# Allegro board pc065a_toplevel_61.brd (continued)
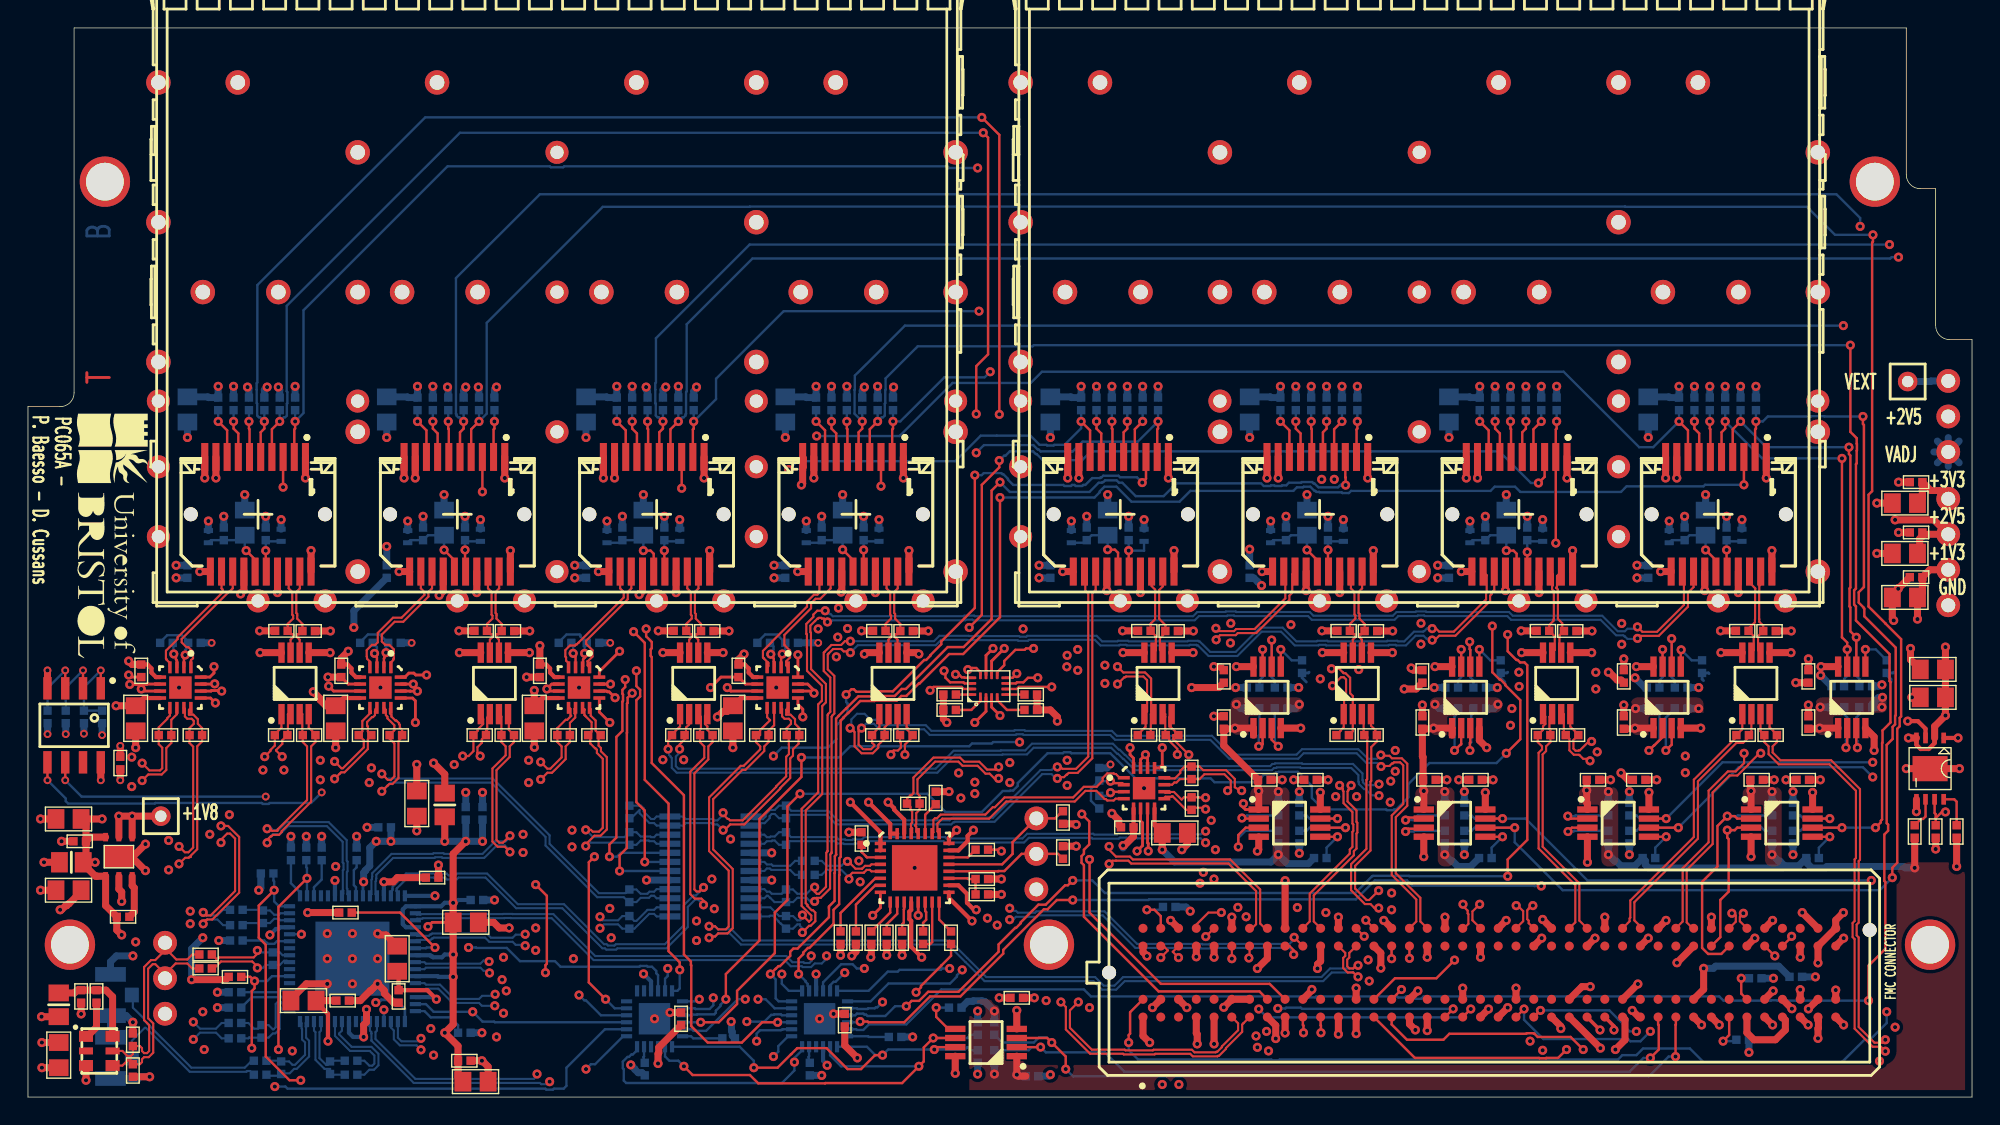
[diagram p0: board, top side]
## Routing (per net, layer and track width the routed paths; a pad name or vN(x,y) marks a point on that pad's centre or on a via; arc(x,y) is an arc through that point) (continued)
FMC_LA_P<10>: length 35.3
  TOP w0.17: v1(110.11,19) 110.39,19.27 IC15.3 ; v1(110.01,3.4) 109.41,2.8 108.56,2.8 108.54,2.78 108.06,2.78 108.04,2.8 99.16,2.8 96.23,5.73
  L6_SIG w0.17: v1(110.11,19) 110.11,5.29 110.12,5.28 110.12,5.18 110.17,5.14 110.17,4.66 110.11,4.61 110.11,4.02 110.01,3.92 v1(110.01,3.4)
  BOTTOM w0.17: v1(110.11,19) 110.5,19 110.55,19.05 R146.1
FMC_LA_P<11>: length 58.8
  TOP w0.15: 98.78,12.08 99.27,12.57 99.27,14.13 97.51,15.89 97.51,20.15 98.33,20.97 98.33,23.73 98.11,23.95 97.67,23.95 97.59,23.87 97.53,23.87 97.35,23.69 96.78,23.69 v1(96.74,23.65) ; v1(59.6,26.4) 59.39,26.19 59.39,25.22 59.72,24.89 60.28,24.89 60.51,25.12 60.51,25.2 60.35,25.36 R191.1 60.35,25.95 60.88,26.47 U6.1
  BOTTOM w0.15: v1(96.74,23.65) 96.65,23.74 96.62,23.74 96.45,23.91 95.69,23.91 95,24.6 91.21,24.6 90.82,24.21 85.89,24.21 84.54,25.56 77.73,25.56 77.38,25.91 71.18,25.91 71.13,25.96 70.67,25.96 70.62,25.91 64.47,25.91 64.07,26.31 60.88,26.31 60.49,26.71 59.91,26.71 v1(59.6,26.4)
FMC_LA_P<12>: length 14.7
  TOP w0.17: v1(98.5,19) 98.7,19.2 99.72,19.2 IC14.3 ; 97.5,10.8 97.5,10.8 v1(97.5,9.9)
  L6_SIG w0.17: v1(98.5,19) 98.5,10.9 v1(97.5,9.9)
  BOTTOM w0.17: v1(98.5,19) 99.09,19 99.14,19.05 R141.1
FMC_LA_P<14>: length 37
  TOP w0.17: v1(89.4,25.1) 88.92,25.57 IC17.3 ; 101.31,5.73 v1(101.9,6.31)
  L6_SIG w0.17: v1(89.37,6.34) 89.37,6.88 89.3,6.94 89.3,9.26 89.17,9.38 89.17,16.4 88.88,16.7 88.88,17.06 88.83,17.11 88.83,17.58 88.88,17.63 88.88,21.57 88.83,21.62 88.83,22.09 88.9,22.16 88.9,22.69 89.11,22.9 89.11,22.94 89.35,23.18 89.35,24.51 89.4,24.56 v1(89.4,25.1)
  BOTTOM w0.17: v1(101.9,6.31) 91.09,6.31 91,6.4 89.96,6.4 89.9,6.34 v1(89.37,6.34) ; v1(89.4,25.1) 89.3,25.2 89.3,25.31 89.15,25.45 R156.1
FMC_LA_P<15>: length 54.2
  TOP w0.15: v1(102.6,13.8) 102.6,13.67 102.94,13.34 102.94,13.14 102.99,13.09 102.99,12.39 102.67,12.08 J10.H19 ; R199.1 79.35,25.93 79.91,26.49 79.91,27.48 ; U10.1 79.91,27.48 ; 79.91,27.48 80.02,27.59 80.02,29.83 79.75,30.09 78.51,30.09 78.46,30.04 78.39,30.04 v1(77.9,29.55)
  L3_SIG w0.15: v1(106,26.6) 105.65,26.95 103.27,26.95 103.23,26.96 100.18,26.96 100.16,26.98 99.08,26.98 97.96,28.1 93.16,28.1 92.2,29.05 92.04,29.05 91.53,29.56 91.53,29.73 91.33,29.92 78.27,29.92 v1(77.9,29.55)
  L6_SIG w0.15: v1(102.6,13.8) 102.6,13.93 102.99,14.31 102.99,15.02 104.45,16.48 104.45,21.05 106.9,23.5 106.9,26.45 106.48,26.87 106.27,26.87 v1(106,26.6)
FMC_LA_P<18>: length 38.7
  TOP w0.17: v1(117.11,24.8) 117.53,25.21 IC19.3 ; J10.C22 v1(106.97,6.3)
  L6_SIG w0.17: v1(117.11,24.8) 117.8,24.11 117.8,22.6 118.86,21.55 118.86,20.61 119.03,20.44 119.03,8.76 118.86,8.58 118.86,7.55 v1(116,4.7)
  BOTTOM w0.17: v1(117.11,24.8) 117.11,27.16 R166.1 ; v1(106.97,6.3) 106.97,5.53 108.35,4.15 114.41,4.15 114.57,3.99 115.29,3.99 v1(116,4.7)
FMC_LA_P<19>: length 39.3
  TOP w0.15: R197.1 93.86,26.21 93.86,26.24 94.08,26.46 U9.1 94.1,27.42 94.1,28.54 94.24,28.68 94.24,29.88 94.09,30.04 93.88,30.04 v1(93.27,29.43) ; v1(106.41,13.7) 106.51,13.6 106.61,13.6 106.91,13.31 106.91,12.59 106.39,12.08
  L3_SIG w0.15: v1(106.62,29.38) 105.91,30.09 101.12,30.09 100.96,29.93 99.36,29.93 99.26,29.83 98.65,29.83 98.61,29.78 95.68,29.78 95.62,29.72 94.79,29.72 94.73,29.78 93.58,29.78 v1(93.27,29.43)
  L6_SIG w0.15: v1(106.62,29.38) 107.06,29.82 107.3,29.82 107.57,29.55 107.57,19.07 106.83,18.33 106.83,13.95 106.58,13.7 v1(106.41,13.7)
FMC_LA_P<21>: length 17.1
  TOP w0.15: 110.2,12.08 110.63,12.5 110.63,15.17 108.01,17.79 108.01,24.64 108.25,24.88 108.25,25.09 107.95,25.4 R195.1 108.33,26.27 108.33,26.53 108.5,26.7 108.5,27.23 U8.1
FMC_LA_P<24>: length 18.9
  TOP w0.15: U7.1 122.58,26.36 122.52,26.3 122.52,26.27 R193.1 122.15,25.75 119.11,22.71 119.11,18.61 114.57,14.07 114.57,12.84 114.51,12.78 114.51,12.57 114.02,12.08
FMC_LA_P<27>: length 73.8
  TOP w0.17: IC21.6 70.7,29.2 70.85,29.34 v1(73.2,29.34)
  TOP w0.254: J10.C26 v1(112.4,4.8)
  L3_SIG w0.17: v1(73.2,29.34) 75.55,29.34 76.5,30.3 76.5,30.59 76.43,30.66 76.43,31.14 76.5,31.21 76.5,31.4 77.42,32.33 78.01,32.33 78.06,32.37 78.53,32.37 78.58,32.33 80.28,32.33 81.33,31.27 83.02,31.27 83.07,31.23 83.54,31.23 83.81,31.5 87.03,31.5 87.53,31 92.75,31 92.96,31.22 93.44,31.22 93.65,31 94.19,31 94.56,31.37 95.04,31.37 95.13,31.27 97.27,31.27 97.32,31.23 97.79,31.23 97.89,31.33 100.32,31.33 100.36,31.37 100.84,31.37 100.88,31.33 106.46,31.33 106.56,31.23 107.03,31.23 107.13,31.33 109.97,31.33 v1(112.1,29.2)
  L6_SIG w0.2: v1(112.4,4.8) 112.4,5.8 113.5,6.9 113.5,15.1 112.08,16.52 112.08,17.04 112.04,17.09 112.04,23.51 112.14,23.6 112.14,23.68 112.27,23.82 112.27,23.85 112.39,23.96 112.39,23.99 112.76,24.37 112.76,24.44 112.78,24.46 112.78,24.94 112.76,24.96 112.76,28.54 v1(112.1,29.2)
FMC_LA_P<28>: length 127.7
  TOP w0.15: v1(122.7,24.6) 122.7,23.89 122.11,23.3 121.54,23.3 120.17,21.92 120.17,18.23 118.31,16.37 118.31,12.56 117.83,12.08 ; v1(21.92,22.77) 22.28,23.13 22.29,23.13 22.39,23.24 22.64,23.24 24.3,24.9 24.3,25.6 24.55,25.85 R65.2 24.3,26.15 24.3,26.52 24.25,26.57 24.25,26.84 24.6,27.19 24.67,27.19 24.81,27.33 24.81,27.6 24.84,27.63 24.84,27.74 IC5.10
  L3_SIG w0.15: v1(21.92,22.77) 22.39,23.23 22.51,23.23 22.53,23.26 22.7,23.26 27.13,27.69 41.29,27.69 41.37,27.61 42.09,27.61 42.12,27.63 42.16,27.63 42.22,27.69 47.23,27.69 47.43,27.89 54.9,27.89 55.07,28.06 55.53,28.06 55.7,27.89 72.92,27.89 73.11,28.08 74.09,28.08 74.27,27.9 82.66,27.9 82.67,27.89 84.87,27.89 84.95,27.81 85.03,27.81 85.35,27.48 85.35,27.42 85.78,26.99 85.99,26.99 86,26.98 97.69,26.98 99.16,25.5 101.8,25.5 102.09,25.79 103.25,25.79 103.39,25.65 104.44,25.65 104.59,25.49 107.15,25.49 107.2,25.54 109.65,25.54 110.1,25.99 111.55,25.99 111.57,26.01 112.03,26.01 112.05,25.99 112.37,25.99 112.97,25.39 122.83,25.39 122.98,25.24 122.98,24.88 v1(122.7,24.6)
FMC_LA_P<30>: length 107.9
  TOP w0.15: v1(121.83,13.15) 121.95,13.15 122.11,12.99 122.11,12.55 121.64,12.08 ; IC6.10 39.08,27.78 39.08,27.45 39.13,27.4 39.13,27.16 38.75,26.78 R69.2 38.75,25.4 38.45,25.09 38.45,24.18 37.47,23.21 37.14,23.21 v1(36.66,22.73)
  L3_SIG w0.15: v1(118.5,23.21) 117.95,23.76 113.67,23.76 113.66,23.75 113.09,23.75 112.33,22.99 110.2,22.99 109.5,23.69 99.67,23.69 97.87,25.49 90.74,25.49 90.7,25.53 89.75,25.53 89.63,25.66 89.16,25.66 89.04,25.53 88.36,25.53 88.23,25.66 87.77,25.66 87.64,25.53 85.94,25.53 85.75,25.71 84.85,25.71 83.29,27.27 82.41,27.27 82.4,27.28 74.01,27.28 73.83,27.46 73.37,27.46 73.04,27.13 73.04,27.07 71.96,25.99 68.56,25.99 67.96,25.39 64.65,25.39 64.65,25.39 64.64,25.39 64.64,25.39 53.97,25.39 53.64,25.72 49.15,25.77 44.71,25.77 42.21,23.28 37.21,23.28 v1(36.66,22.73)
  L6_SIG w0.15: v1(121.83,13.15) 121.9,13.22 121.9,13.63 122.14,13.87 122.14,21.6 120.05,23.7 119.12,23.7 119.1,23.68 119.11,23.68 118.97,23.68 v1(118.5,23.21)
FMC_LA_P<31>: length 14
  TOP w0.17: J10.G33 121,11.44 121,14.1 121.6,14.7 121.6,18.46 121.5,18.56 v1(121.5,19.1) 122.04,19.1 122.21,19.27 IC16.3
  BOTTOM w0.17: v1(121.5,19.1) 122.04,19.1 122.21,19.27 123.96,19.27 124.19,19.05 R151.1
FMC_LA_P<33>: length 23.3
  TOP w0.17: v1(130.8,25) 130.72,25.08 130.72,26.4 ; v1(124.9,10.1) 124.88,10.1 J10.G36
  L6_SIG w0.17: v1(130.8,25) 130.8,15.2 125.7,10.1 v1(124.9,10.1)
  BOTTOM w0.17: v1(130.8,25) 130.8,25.49 130.72,25.57 130.72,27.16 130.95,27.39 R171.1
I2C_SCL: length 133.9
  TOP w0.17: R94.1 73.65,17.4 J1.2 71.04,17.4 69.81,16.17 69.36,16.17 69.34,16.15 IC9.20 ; v1(64.8,3.4) 64.97,3.58 IC11.7 ; v1(61.1,3) 60.56,3 59.56,2 58.6,2 57.1,3.5 55,3.5 54.57,3.07 54.56,3.07 53.59,2.1 v1(51.9,2.1) ; v1(19.5,1.2) 18.7,1.2 17,2.9 17,10.9 16.5,11.4 16.5,13.7 v1(17.6,14.8) ; 2.67,23.95 v2(2.67,22.67)
  L3_SIG w0.17: v1(51.9,2.1) 51.41,2.1 50.78,1.47 43.54,1.47 43.47,1.4 42.73,1.4 42.66,1.47 40.18,1.47 40.14,1.43 39.66,1.43 39.62,1.47 38.73,1.47 38.2,2 37.45,2 37.43,2.02 36.83,2.02 36.64,2.22 36.16,2.22 35.95,2 35.6,2 34.4,0.8 19.9,0.8 v1(19.5,1.2)
  L6_SIG w0.17: v1(17.6,14.8) 17.6,17.89 17.67,17.96 17.67,20.83 v2(17,21.5) ; J1.2 73.19,16.3 73.19,13.99 70.95,11.75 70.95,7.15 70.57,6.77 70.46,6.77 70.13,6.44 70.13,6.33 67.2,3.4 v1(64.8,3.4)
  BOTTOM w0.17: IC3.16 17.95,13.65 17.6,14 v1(17.6,14.8) 17.6,15.44 17.55,15.49 R7.2 ; IC10.19 59.98,3.6 60.58,3 v1(61.1,3) 61.5,3.4 v1(64.8,3.4) 66.99,3.4 67.16,3.58 67.39,3.35 R135.1 ; IC23.19 50.89,3.6 51.9,2.59 v1(51.9,2.1) ; v2(17,21.5) 3.83,21.5 v2(2.67,22.67)
I2C_SCL_CVCC: length 53
  TOP w0.17: IC11.2 v1(72.4,3.58) ; v1(116,2.8) 116.6,3.4 116.6,5.15 116.56,5.19 116.56,5.73
  BOTTOM w0.17: R132.1 71.55,3.35 71.77,3.57 72.37,3.57 72.38,3.58 v1(72.4,3.58) 72.78,3.2 77,3.2 78.39,1.81 114.51,1.81 115.51,2.8 v1(116,2.8)
I2C_SDA: length 140.3
  TOP w0.17: IC1.5 v2(1.4,22.67) ; v1(46.9,2.2) 47.52,1.58 51.62,1.58 52.21,0.98 56.99,0.98 57.01,1 62.5,1 v1(63.7,2.2) 64.05,2.55 64.05,3.55 v1(64.72,4.23) IC11.6 ; R93.1 73.95,20.45 73.44,19.94 J1.3 70.4,18.24 70.4,17.4 69.65,16.65 IC9.21 ; v1(17.91,3.4) 17.91,13.61 v1(19.95,15.65)
  L3_SIG w0.17: v1(46.9,2.2) 46.41,2.2 46.01,1.8 43.41,1.8 43.34,1.73 42.86,1.73 42.79,1.8 42.2,1.8 41.21,2.79 36.99,2.79 36.91,2.88 35.89,2.88 35.81,2.79 34.59,2.79 33.78,1.99 21.02,1.99 20.5,2.5 18.81,2.5 v1(17.91,3.4)
  L6_SIG w0.17: v2(21,21.8) 21.57,21.23 21.57,17.27 v1(19.95,15.65) ; J1.3 71,18.84 71,12.26 68.9,10.16 68.9,7.36 68.88,7.34 68.88,6.74 68.53,6.39 68.53,6.04 68.47,5.98 68.47,5.92 68.14,5.58 68.07,5.58 66.71,4.23 v1(64.72,4.23)
  BOTTOM w0.17: v1(63.7,2.2) 58.14,2.2 57.35,2.99 IC10.20 ; v2(1.4,22.67) 2.7,21.37 2.7,21.17 2.87,21 9.07,21 9.11,21.04 16.71,21.04 16.78,20.98 17.22,20.98 17.29,21.04 20.24,21.04 v2(21,21.8) ; IC23.20 45.55,2.91 45.86,2.6 46.5,2.6 v1(46.9,2.2) ; R134.1 67.39,4.45 67.16,4.23 v1(64.72,4.23) ; IC3.18 v1(19.95,15.65) 19.95,16.39 19.9,16.44 R8.2
I2C_SDA_CVCC: length 56.8
  TOP w0.17: v1(74.2,2) 74.2,2.9 v1(73.2,3.9) 72.88,4.23 IC11.3 ; v1(117.8,2.9) 117.8,5.17 117.83,5.19 J10.C31
  BOTTOM w0.17: v1(73.2,3.9) 72.82,4.28 72.3,4.28 71.92,3.9 69.65,3.9 R131.1 ; v1(74.2,2) 74.72,1.48 115.88,1.48 117.31,2.9 v1(117.8,2.9)
MOD_ABS: length 3.4
  TOP w0.17: v1(15.8,48.35) 15.8,47.83 15.84,47.79 J7.6
  BOTTOM w0.17: R26.1 v1(15.8,48.35)
MOD_ABS_1: length 3.4
  TOP w0.17: J12.6 30.09,47.79 30.05,47.83 v1(30.05,48.35)
  BOTTOM w0.17: R38.1 v1(30.05,48.35)
MOD_ABS_2: length 3.4
  TOP w0.17: J16.6 44.34,47.79 44.3,47.83 v1(44.3,48.35)
  BOTTOM w0.17: R46.1 v1(44.3,48.35)
MOD_ABS_3: length 3.4
  TOP w0.17: v1(58.55,48.35) 58.55,47.83 58.59,47.79 J20.6
  BOTTOM w0.17: R54.1 v1(58.55,48.35)
MOD_ABS_4: length 3.4
  TOP w0.17: v1(120.25,48.35) 120.25,47.83 120.29,47.79 J24.6
  BOTTOM w0.17: R103.1 v1(120.25,48.35)
MOD_ABS_5: length 3.4
  TOP w0.17: v1(106,48.35) 106,47.83 106.04,47.79 J28.6
  BOTTOM w0.17: R111.1 v1(106,48.35)
MOD_ABS_6: length 3.4
  TOP w0.17: v1(91.75,48.35) 91.75,47.83 91.79,47.79 J32.6
  BOTTOM w0.17: R119.1 v1(91.75,48.35)
MOD_ABS_7: length 3.4
  TOP w0.17: J36.6 77.54,47.79 77.5,47.83 v1(77.5,48.35)
  BOTTOM w0.17: R127.1 v1(77.5,48.35)
MUX_OUT_N: length 3.9
  BOTTOM w0.15: 51.7,16.18 52.65,16.18 52.83,16.36 53.04,16.36 53.14,16.26 54.49,16.26 54.85,15.9 C55.1
MUX_OUT_P: length 3.9
  BOTTOM w0.15: IC8.18 52.65,16.82 52.83,16.64 53.16,16.64 53.26,16.55 54.49,16.55 54.85,16.9 C56.1
MUX_SEL<0>: length 41.9
  TOP w0.17: v1(42.3,16.18) 42.3,17.3 42.82,17.82 42.82,26.05 42.83,26.06 42.83,28.16 42.88,28.2 42.88,28.58 v1(43.2,28.9) ; v1(64.5,29.1) 64.75,29.34 66.75,29.34 66.9,29.2 IC21.15
  L3_SIG w0.17: v1(64.5,29.1) 64.12,29.48 58.86,29.48 58.84,29.5 55.5,29.5 54.52,28.52 43.58,28.52 v1(43.2,28.9)
  BOTTOM w0.17: 45.9,16.18 v1(42.3,16.18)
MUX_SEL<1>: length 40.8
  TOP w0.17: v1(43.5,30.5) 43.5,29.41 43.77,29.14 43.77,28.66 43.5,28.39 43.5,21.1 44.1,20.5 v1(44.1,16.82) ; v1(65.5,30.5) 65.6,30.4 65.6,30.01 65.93,29.67 66.89,29.67 66.96,29.6 IC21.14
  L3_SIG w0.17: v1(65.5,30.5) 64.96,30.5 64.86,30.4 59.22,30.4 59.07,30.26 44.28,30.26 44.04,30.5 v1(43.5,30.5)
  BOTTOM w0.17: IC8.7 v1(44.1,16.82)
MUX_SEL<2>: length 42.8
  TOP w0.17: IC21.13 66.98,30 66.94,30.03 66.77,30.03 66.6,30.2 66.37,30.2 v1(66.32,30.24) ; v1(41.58,17.2) 41.58,18.07 42.07,18.57 42.07,25.77 42.5,26.2 42.5,28.29 42.55,28.34 42.55,28.81 42.5,28.86 42.5,29.14 42.7,29.34 v1(42.7,29.88)
  L3_SIG w0.17: v1(66.32,30.24) 66.32,30.02 66.15,29.85 65.94,29.85 65.92,29.88 v1(42.7,29.88)
  BOTTOM w0.17: 45.9,17.48 42.39,17.48 42.11,17.2 v1(41.58,17.2)
OSC_N: length 15.4
  TOP w0.15: C30.2 11.75,10.2 11.39,9.85 10.61,9.85 9.8,10.66 ; 9.8,10.66 9.8,10.5 9.1,9.8 8.8,9.8 8.3,9.3 8.3,5.52 8.66,5.15 8.66,3.29 8.51,3.15 8.3,3.15 8.15,3.29 8.15,3.5 8,3.65 R4.2 7.5,3.08 7.34,2.92 7.13,2.92 6.75,3.3 QZ1.5 ; 9.8,10.66 J5.3
OSC_P: length 14.7
  TOP w0.15: C29.2 11.75,9.2 11.39,9.55 10.55,9.55 9.8,8.8 ; QZ1.4 6.75,2.25 7.13,2.63 7.34,2.63 7.34,2.51 R5.2 8,2.35 8.15,2.5 8.15,2.71 8.3,2.86 8.63,2.86 8.95,3.17 8.95,5.27 8.59,5.64 8.59,9.18 8.92,9.51 9.1,9.51 9.8,8.81 9.8,8.8 ; J5.2 9.8,8.8
POWER_GOOD: length 80.2
  TOP w0.17: J10.D1 78.8,6.07 78.8,4.54 78.7,4.44 v1(78.7,3.9) ; R182.2 136.4,19.96 ; 136.4,19.96 136.84,20.4 v1(137.1,20.4) ; 136.4,19.96 136.4,20.25 136.32,20.33 U11.7
  L6_SIG w0.17: v1(137.1,20.4) 137.1,19.86 137.25,19.72 137.25,17.65 132.9,13.3 132.9,7.94 132.88,7.92 132.88,7.48 132.9,7.46 v1(132.9,6.1)
  BOTTOM w0.17: v1(78.7,3.9) 78.7,3.36 79.38,2.69 88.91,2.69 88.96,2.63 89.44,2.63 89.49,2.69 113.69,2.69 114,3 115,3 115.47,3.48 118.82,3.48 119.8,2.5 129.7,2.5 131.3,4.1 131.7,4.1 132.9,5.3 v1(132.9,6.1)
PRSNT_L: length 3.3
  TOP w0.17: v1(80,13.4) 80.55,13.4 81,12.95 81,12.08
  BOTTOM w0.17: R30.2 80.95,13.4 v1(80,13.4)
RD_BUF_N<0>: length 8.7
  TOP w0.15: J7.12 13.84,36.4 13.91,36.33 13.91,36.11 10.7,32.9 10.7,32.77 9.87,31.94 9.87,31.37 9.91,31.33 9.91,31.29 10.15,31.05 IC4.4
RD_BUF_N<1>: length 9.3
  TOP w0.15: J12.12 28.09,36.4 28.34,36.14 28.34,35.93 26.71,34.3 26.1,34.3 25.01,33.21 25.01,32.54 24.83,32.36 24.6,32.36 24.22,31.98 24.22,31.52 24.24,31.5 24.24,31.37 24.45,31.16 IC5.4
RD_BUF_N<2>: length 9
  TOP w0.15: IC6.4 38.65,31.05 38.48,31.22 38.48,31.46 38.42,31.52 38.42,31.98 38.75,32.31 39.11,32.31 39.19,32.39 39.24,32.39 39.36,32.51 42.59,35.74 42.59,36.14 42.34,36.4 J16.12
RD_BUF_N<3>: length 8.9
  TOP w0.15: J20.12 56.59,36.1 56.44,35.95 56.2,35.95 55.7,35.45 55.7,35.09 53.2,32.59 53.2,32.57 52.55,31.92 52.55,31.46 52.6,31.41 52.6,31.4 52.94,31.06 52.94,30.84 IC7.4
RD_BUF_P<0>: length 8.9
  TOP w0.15: IC4.1 11.65,31.25 11.8,31.4 11.8,31.86 11.47,32.19 11.34,32.19 10.99,32.54 10.99,32.78 14.35,36.14 14.38,36.14 14.64,36.4 J7.13
RD_BUF_P<1>: length 9.3
  TOP w0.15: IC5.1 25.95,31.1 26.11,31.27 26.11,31.32 26.16,31.37 26.16,32.03 25.83,32.36 25.54,32.36 25.3,32.6 25.3,33.09 26.22,34.01 26.83,34.01 28.64,35.81 28.64,36.14 28.89,36.4 J12.13
RD_BUF_P<2>: length 8.6
  TOP w0.15: IC6.1 40.01,30.89 40.01,31.19 40.01,31.19 40.03,31.19 40.36,31.52 40.36,31.98 39.91,32.43 39.91,32.65 42.88,35.62 42.88,36.14 43.14,36.4 J16.13
RD_BUF_P<3>: length 8.8
  TOP w0.15: IC7.1 54.21,30.89 54.21,31.18 54.49,31.46 54.49,31.94 54.08,32.35 54.08,33.07 55.99,34.97 55.99,35.33 56.32,35.66 56.65,35.66 57.39,36.4 J20.13
RD_MUX_N<0>: length 50.3
  TOP w0.15: v1(10.8,17.93) 11.22,17.52 11.47,17.52 11.81,17.85 11.81,25.08 11.55,25.34 R60.1 11.55,26.4 11.86,26.71 11.86,26.92 11.71,27.07 11.39,27.07 11.22,27.24 11.22,27.77 11.15,27.84 IC4.11
  L3_SIG w0.15: v1(10.8,17.93) 11.23,17.5 11.31,17.5 33.34,17.5 34.29,16.55 36.29,16.55 40.24,12.6 40.26,12.6 40.47,12.81 40.81,12.81 v1(40.9,12.9)
  BOTTOM w0.15: IC8.2 44.95,13.57 44.77,13.39 44.3,13.39 43.5,12.6 43.35,12.6 R74.2 42.5,12.95 42.19,12.64 41.06,12.64 40.9,12.81 v1(40.9,12.9)
RD_MUX_N<1>: length 31.6
  TOP w0.15: IC5.11 25.59,27.71 25.59,27.33 25.7,27.22 25.7,27.1 26.2,26.6 26.2,26.25 R64.1 25.85,25.65 26.2,25.3 26.2,22.95 25.94,22.69 25.74,22.69 v1(25.3,23.12)
  BOTTOM w0.15: v1(25.3,23.12) 25.72,22.71 25.8,22.79 33.24,22.79 37.3,18.73 37.3,18.11 40.82,14.59 42.72,14.59 42.74,14.61 42.76,14.61 R75.2 43.5,14.85 43.81,14.54 44.29,14.54 44.44,14.7 44.77,14.7 44.95,14.88 45.9,14.88
RD_MUX_N<2>: length 17.6
  TOP w0.15: 39.76,27.74 39.79,27.74 39.79,27.71 ; 39.76,27.74 39.79,27.71 ; 39.76,27.74 IC6.11 ; 39.79,27.33 40.3,26.82 40.3,26.15 R68.1 40.2,25.75 40.2,25.3 40.54,24.96 40.57,24.96 40.68,24.85 40.68,24.62 41.1,24.2 41.1,19.27 40.82,18.99 40.38,18.99 40.25,19.12 v1(39.88,19.12) ; 39.79,27.33 39.79,27.71 ; 39.79,27.33 39.88,27.24
  BOTTOM w0.15: v1(39.88,19.12) 40.4,18.6 42.65,18.6 R76.2 43.5,18.95 43.81,18.64 44.51,18.64 44.56,18.59 44.77,18.59 44.95,18.77 IC8.10
RD_MUX_N<3>: length 19.5
  TOP w0.15: IC7.11 53.85,27.84 53.92,27.77 53.92,27.24 54.09,27.07 54.41,27.07 54.55,26.92 54.55,26.71 54.25,26.4 R72.1 54.4,25.75 54.4,25.2 54.41,25.19 54.41,24.55 54.21,24.35 54.21,22.95 53.49,22.23 53.49,22.19 51.1,19.8 50.19,19.8 50.09,19.9 50.03,19.9 49.77,20.15 49.77,20.27 v1(49.7,20.35)
  BOTTOM w0.15: v1(49.7,20.35) 49.7,20.2 49.3,19.8 49.08,19.8 48.98,19.89 47.03,19.89 46.85,20.08 IC8.12 44.95,20.08 44.77,19.89 44.56,19.89 44.02,20.43 44.02,20.67 43.83,20.85 R77.2
RD_MUX_N<4>: length 40.5
  TOP w0.15: J36.12 75.6,37.54 75.6,36.23 75.81,36.02 75.81,24.36 74.93,23.48 73.97,23.48 73.83,23.62 v1(73.6,23.62)
  BOTTOM w0.15: IC8.13 51.89,19.88 52.55,19.88 52.74,20.08 52.74,20.23 53.06,20.55 53.39,20.55 53.7,20.85 R78.2 54.57,20.48 57.22,20.48 57.9,19.8 65.9,19.8 66.05,19.95 66.11,19.95 66.15,19.99 68.99,19.99 72.4,23.4 73.18,23.4 73.4,23.62 v1(73.6,23.62)
RD_MUX_N<5>: length 57.8
  TOP w0.15: v1(84.94,33.54) 85.14,33.34 86.23,33.34 86.38,33.49 87.7,33.49 89.9,35.69 89.9,37.49 J32.12
  L6_SIG w0.15: v1(84.94,33.54) 84.94,33.49 84.47,33.03 84.27,33.03 83.94,32.7 83.94,31.17 83.92,31.16 83.92,26.89 83.94,26.88 83.94,23.36 84.8,22.5 84.8,21.7 84.8,21.7 84.8,21.64 85.16,21.28 85.16,19.27 84.93,19.04 84.92,19.04 84.9,19.02 84.2,19.02 v1(84.2,19.02)
  BOTTOM w0.15: v1(84.2,19.02) 84.07,19.02 83.85,18.8 79.44,18.8 79.4,18.84 78.66,18.84 78.65,18.85 77.95,18.85 77.88,18.78 76.23,18.78 76.17,18.84 71.44,18.84 71.11,18.51 65.68,18.51 65.59,18.6 59.8,18.6 59.63,18.44 58.98,18.44 58.93,18.39 58.47,18.39 58.42,18.44 57.97,18.44 57.8,18.6 54.55,18.6 R79.2 53.7,18.95 53.39,18.64 53.09,18.64 53.04,18.59 52.83,18.59 52.65,18.77 IC8.15
RD_MUX_N<6>: length 76.8
  TOP w0.15: v1(100.4,33.52) 100.68,33.52 100.9,33.3 101.94,33.3 104.25,35.61 104.25,36.07 104.3,36.12 104.3,37.34 J28.12 ; v1(56.25,15.02) 56.25,14.69 56.4,14.54 56.56,14.54 57.06,15.04 57.06,16.27 57.08,16.3 57.08,17.49 57.17,17.58 57.17,17.63 57.17,27.33 57.2,27.36 57.2,27.4 57.37,27.57 57.37,30.02 56.9,30.48 56.9,31.8 56.95,31.85 56.95,31.85 57.45,32.35 58.14,32.35 58.41,32.62 v1(58.8,32.62)
  BOTTOM w0.15: v1(100.4,33.52) 100.01,33.52 99.83,33.34 99.79,33.34 99.75,33.3 99.1,33.3 98.41,32.6 97.95,32.6 97.91,32.65 97.2,32.65 97.16,32.6 92.94,32.6 92.9,32.65 92.19,32.65 92.15,32.6 90.69,32.6 89.71,33.59 88.09,33.59 86.35,31.85 84.53,31.85 83.77,32.6 83.7,32.6 83.66,32.65 82.95,32.65 82.91,32.6 78.69,32.6 78.65,32.65 77.94,32.65 77.9,32.6 76.81,32.6 76.41,33.01 71.45,33.01 71.38,32.94 70.92,32.94 70.87,32.98 67.29,32.98 67.27,33.01 65.17,33.01 64.78,32.62 v1(58.8,32.62) ; 51.7,14.88 52.65,14.88 52.83,14.7 53.03,14.7 53.18,14.54 53.9,14.54 R80.2 54.7,14.85 55.01,14.54 55.22,14.54 55.67,14.54 56.03,14.9 56.13,14.9 v1(56.25,15.02)
RD_MUX_N<7>: length 95.7
  TOP w0.15: v1(55.37,13.02) 55.85,12.54 56.01,12.7 56.01,12.99 55.32,13.67 55.32,20.62 56.5,21.8 56.5,28.1 56.77,28.37 56.77,29.44 55.7,30.5 55.7,32.16 55.7,32.17 55.7,33.1 55.65,33.15 55.65,33.85 56.15,34.36 56.15,34.52 56.43,34.8 v1(57,34.8) ; v1(115.08,33.64) 115.43,33.29 116.48,33.29 118.4,35.21 118.4,37.49 J24.12
  BOTTOM w0.15: v1(115.08,33.64) 114.95,33.51 114.36,33.51 114.18,33.33 113.67,33.33 112.56,34.44 106.16,34.44 105.9,34.7 100,34.7 99.95,34.75 99.25,34.75 99.2,34.7 97.85,34.7 97.59,34.44 91.91,34.44 91.65,34.7 86.4,34.7 86.35,34.75 85.65,34.75 85.6,34.7 83.6,34.7 83.3,34.41 67.7,34.41 67.65,34.45 66.95,34.45 66.9,34.41 57.54,34.41 57.39,34.56 57.35,34.56 57.3,34.6 57.2,34.6 v1(57,34.8) ; v1(55.37,13.02) 55.37,12.79 55.22,12.64 55.01,12.64 54.7,12.95 R81.2 53.71,12.95 53.09,13.57 IC8.23
RD_MUX_P<0>: length 50.8
  TOP w0.15: IC4.12 11.51,27.71 11.51,27.36 11.83,27.36 12.14,27.04 12.14,26.71 12.45,26.4 R60.2 12.45,25.45 12.1,25.1 12.1,17.73 11.63,17.26 11.63,17.19 11.61,17.17 11.54,17.17 11.49,17.12 11.24,17.12 v1(10.8,16.68)
  L3_SIG w0.15: v1(40.9,12.08) 40.47,12.08 40.26,12.29 40.11,12.29 36.16,16.24 34.16,16.24 33.21,17.19 11.32,17.19 11.31,17.19 v1(10.8,16.68)
  BOTTOM w0.15: IC8.1 44.95,12.93 44.77,13.11 44.42,13.11 43.36,12.05 R74.1 42.5,12.05 42.19,12.36 41.17,12.36 v1(40.9,12.08)
RD_MUX_P<1>: length 32.2
  TOP w0.15: IC5.12 25.88,27.78 25.88,27.45 25.99,27.34 25.99,27.22 26.26,26.95 26.34,26.95 26.54,26.75 26.54,26.68 26.59,26.62 26.59,26.43 26.75,26.27 R64.2 26.75,25.75 26.49,25.49 26.49,22.83 26.06,22.4 25.84,22.4 25.73,22.29 25.72,22.29 v1(25.3,21.88)
  BOTTOM w0.15: IC8.3 44.95,14.23 44.77,14.41 44.56,14.41 44.41,14.26 43.81,14.26 43.5,13.95 R75.1 42.95,13.95 42.6,14.3 40.7,14.3 37.01,17.99 37.01,18.61 33.12,22.5 25.92,22.5 v1(25.3,21.88)
RD_MUX_P<2>: length 17.9
  TOP w0.15: IC6.12 40.24,27.76 40.24,27.29 40.59,26.94 40.59,26.21 40.9,25.9 R68.2 40.8,25.75 40.8,25.14 40.97,24.97 40.97,24.74 41.39,24.32 41.39,19.15 40.94,18.7 40.5,18.7 39.88,18.08 v1(39.88,17.96)
  BOTTOM w0.15: v1(39.88,17.96) 40.18,18.26 40.24,18.21 42.81,18.21 42.83,18.22 R76.1 43.5,18.05 43.81,18.36 44.39,18.36 44.44,18.3 44.77,18.3 44.95,18.12 IC8.9
RD_MUX_P<3>: length 20.1
  TOP w0.15: v1(49.7,19.1) 49.8,19.1 50.21,19.51 51.22,19.51 53.78,22.07 53.78,22.11 54.5,22.83 54.5,24.23 54.7,24.43 54.7,24.88 55.1,25.29 55.1,25.85 R72.2 55.15,26.4 54.84,26.71 54.84,27.04 54.53,27.36 54.21,27.36 54.21,27.71 IC7.12
  BOTTOM w0.15: v1(49.7,19.1) 49.3,19.51 48.96,19.51 48.86,19.61 47.03,19.61 46.85,19.43 IC8.11 44.95,19.43 44.77,19.61 44.44,19.61 43.73,20.31 43.73,20.55 43.13,19.95 R77.1
RD_MUX_P<4>: length 41
  TOP w0.15: v1(73.6,22.8) 73.69,22.89 74.08,22.89 74.26,23.07 74.29,23.07 74.42,23.2 75.05,23.2 76.1,24.24 76.1,36.05 76.34,36.29 J36.13
  BOTTOM w0.15: IC8.14 52.25,19.43 52.42,19.59 52.67,19.59 53.03,19.96 53.03,20.11 53.18,20.26 53.39,20.26 53.7,19.95 R78.1 54.44,20.19 57.1,20.19 57.78,19.51 66.02,19.51 66.17,19.66 66.23,19.66 66.27,19.7 69.11,19.7 72.52,23.11 73.18,23.11 73.4,22.89 73.51,22.89 v1(73.6,22.8)
RD_MUX_P<5>: length 58.4
  TOP w0.15: J32.13 90.4,37.41 90.4,36.09 90.19,35.88 90.19,35.57 87.82,33.2 86.5,33.2 86.35,33.05 85.24,33.05 84.96,32.77 v1(84.96,32.72)
  L6_SIG w0.15: v1(84.96,32.72) 84.4,32.72 84.25,32.57 84.25,31.05 84.23,31.03 84.23,27.02 84.25,27 84.25,23.49 85.11,22.63 85.11,21.83 85.11,21.83 85.11,21.77 85.47,21.41 85.47,19.14 85.06,18.73 85.05,18.73 85.03,18.71 84.97,18.71 84.76,18.5 84.58,18.5 84.29,18.2 84.2,18.2 v1(84.2,18.2)
  BOTTOM w0.15: v1(84.2,18.2) 84.11,18.29 84.07,18.29 83.85,18.51 79.32,18.51 79.28,18.55 78.54,18.55 78.53,18.56 78.07,18.56 78,18.49 76.11,18.49 76.05,18.55 71.56,18.55 71.23,18.21 65.56,18.21 65.47,18.31 59.92,18.31 59.76,18.14 59.1,18.14 59.05,18.1 58.35,18.1 58.3,18.14 57.84,18.14 57.68,18.31 54.46,18.31 R79.1 53.7,18.05 53.39,18.36 53.21,18.36 53.16,18.3 52.83,18.3 52.65,18.12 IC8.16
RD_MUX_P<6>: length 77.3
  TOP w0.15: v1(56.25,14) 56.25,14.1 56.4,14.25 56.68,14.25 57.35,14.92 57.35,16.15 57.37,16.18 57.37,17.37 57.46,17.46 57.46,17.51 57.46,27.21 57.49,27.24 57.49,27.28 57.66,27.44 57.66,30.14 57.19,30.6 57.19,31.68 57.24,31.73 57.24,31.73 57.57,32.06 58.14,32.06 58.15,32.05 58.16,32.05 58.32,31.89 58.71,31.89 v1(58.8,31.8) ; J28.13 104.84,36.29 104.69,36.14 104.69,36.1 104.64,36.05 104.64,35.98 104.54,35.88 104.54,35.49 102.06,33.01 100.9,33.01 100.68,32.79 100.49,32.79 v1(100.4,32.7)
  BOTTOM w0.15: IC8.22 52.65,14.23 52.83,14.41 52.91,14.41 53.06,14.26 53.07,14.26 53.38,13.95 R80.1 54.7,13.95 55.01,14.26 55.1,14.25 55.67,14.25 55.98,13.94 56.19,13.94 v1(56.25,14) ; v1(58.8,31.8) 59.33,32.33 64.9,32.33 65.29,32.72 67.15,32.72 67.17,32.7 70.75,32.7 70.8,32.65 71.5,32.65 71.57,32.72 76.28,32.72 76.68,32.31 78.02,32.31 78.06,32.36 78.53,32.36 78.57,32.31 83.03,32.31 83.07,32.36 83.54,32.36 83.58,32.31 83.65,32.31 84.41,31.56 86.47,31.56 88.21,33.3 89.59,33.3 90.57,32.31 92.27,32.31 92.31,32.36 92.78,32.36 92.82,32.31 97.28,32.31 97.32,32.36 97.79,32.36 97.83,32.31 98.53,32.31 99.22,33.01 99.79,33.01 100.01,32.79 100.31,32.79 v1(100.4,32.7)
RD_MUX_P<7>: length 96.4
  TOP w0.15: v1(57.16,34) 56.92,34.24 56.77,34.24 56.71,34.29 56.55,34.29 56.49,34.23 56.44,34.23 56.27,34.06 56.27,34.06 55.94,33.73 55.94,33.27 55.98,33.22 55.98,32.29 55.99,32.28 55.99,30.62 57.05,29.56 57.05,28.24 56.79,27.98 56.79,21.68 55.61,20.5 55.61,13.88 55.73,13.75 55.73,13.67 56.03,13.37 56.13,13.37 56.3,13.2 56.3,12.58 55.97,12.25 55.85,12.25 v1(55.37,11.78) ; v1(115.08,32.82) 115.26,33 116.6,33 118.69,35.09 118.69,36.09 119.09,36.49 J24.13
  BOTTOM w0.15: v1(115.08,32.82) 115.04,32.78 114.36,32.78 114.18,32.96 114.15,32.96 114.07,33.04 113.55,33.04 112.44,34.15 106.04,34.15 105.78,34.41 99.88,34.41 99.83,34.46 99.37,34.46 99.32,34.41 97.97,34.41 97.71,34.15 91.79,34.15 91.53,34.41 86.28,34.41 86.23,34.46 85.77,34.46 85.72,34.41 83.72,34.41 83.42,34.12 67.58,34.12 67.53,34.16 67.07,34.16 67.02,34.12 57.52,34.12 57.41,34 v1(57.16,34) ; IC8.24 53.01,12.93 53.06,12.98 53.27,12.98 53.66,12.59 53.66,12.55 53.8,12.42 53.84,12.42 R81.1 54.7,12.05 55.01,12.36 55.2,12.36 55.2,12.25 55.37,12.08 v1(55.37,11.78)